# Altium PCB Temp Module B1 Sample.PcbDoc (part 1 of 3) (continued)
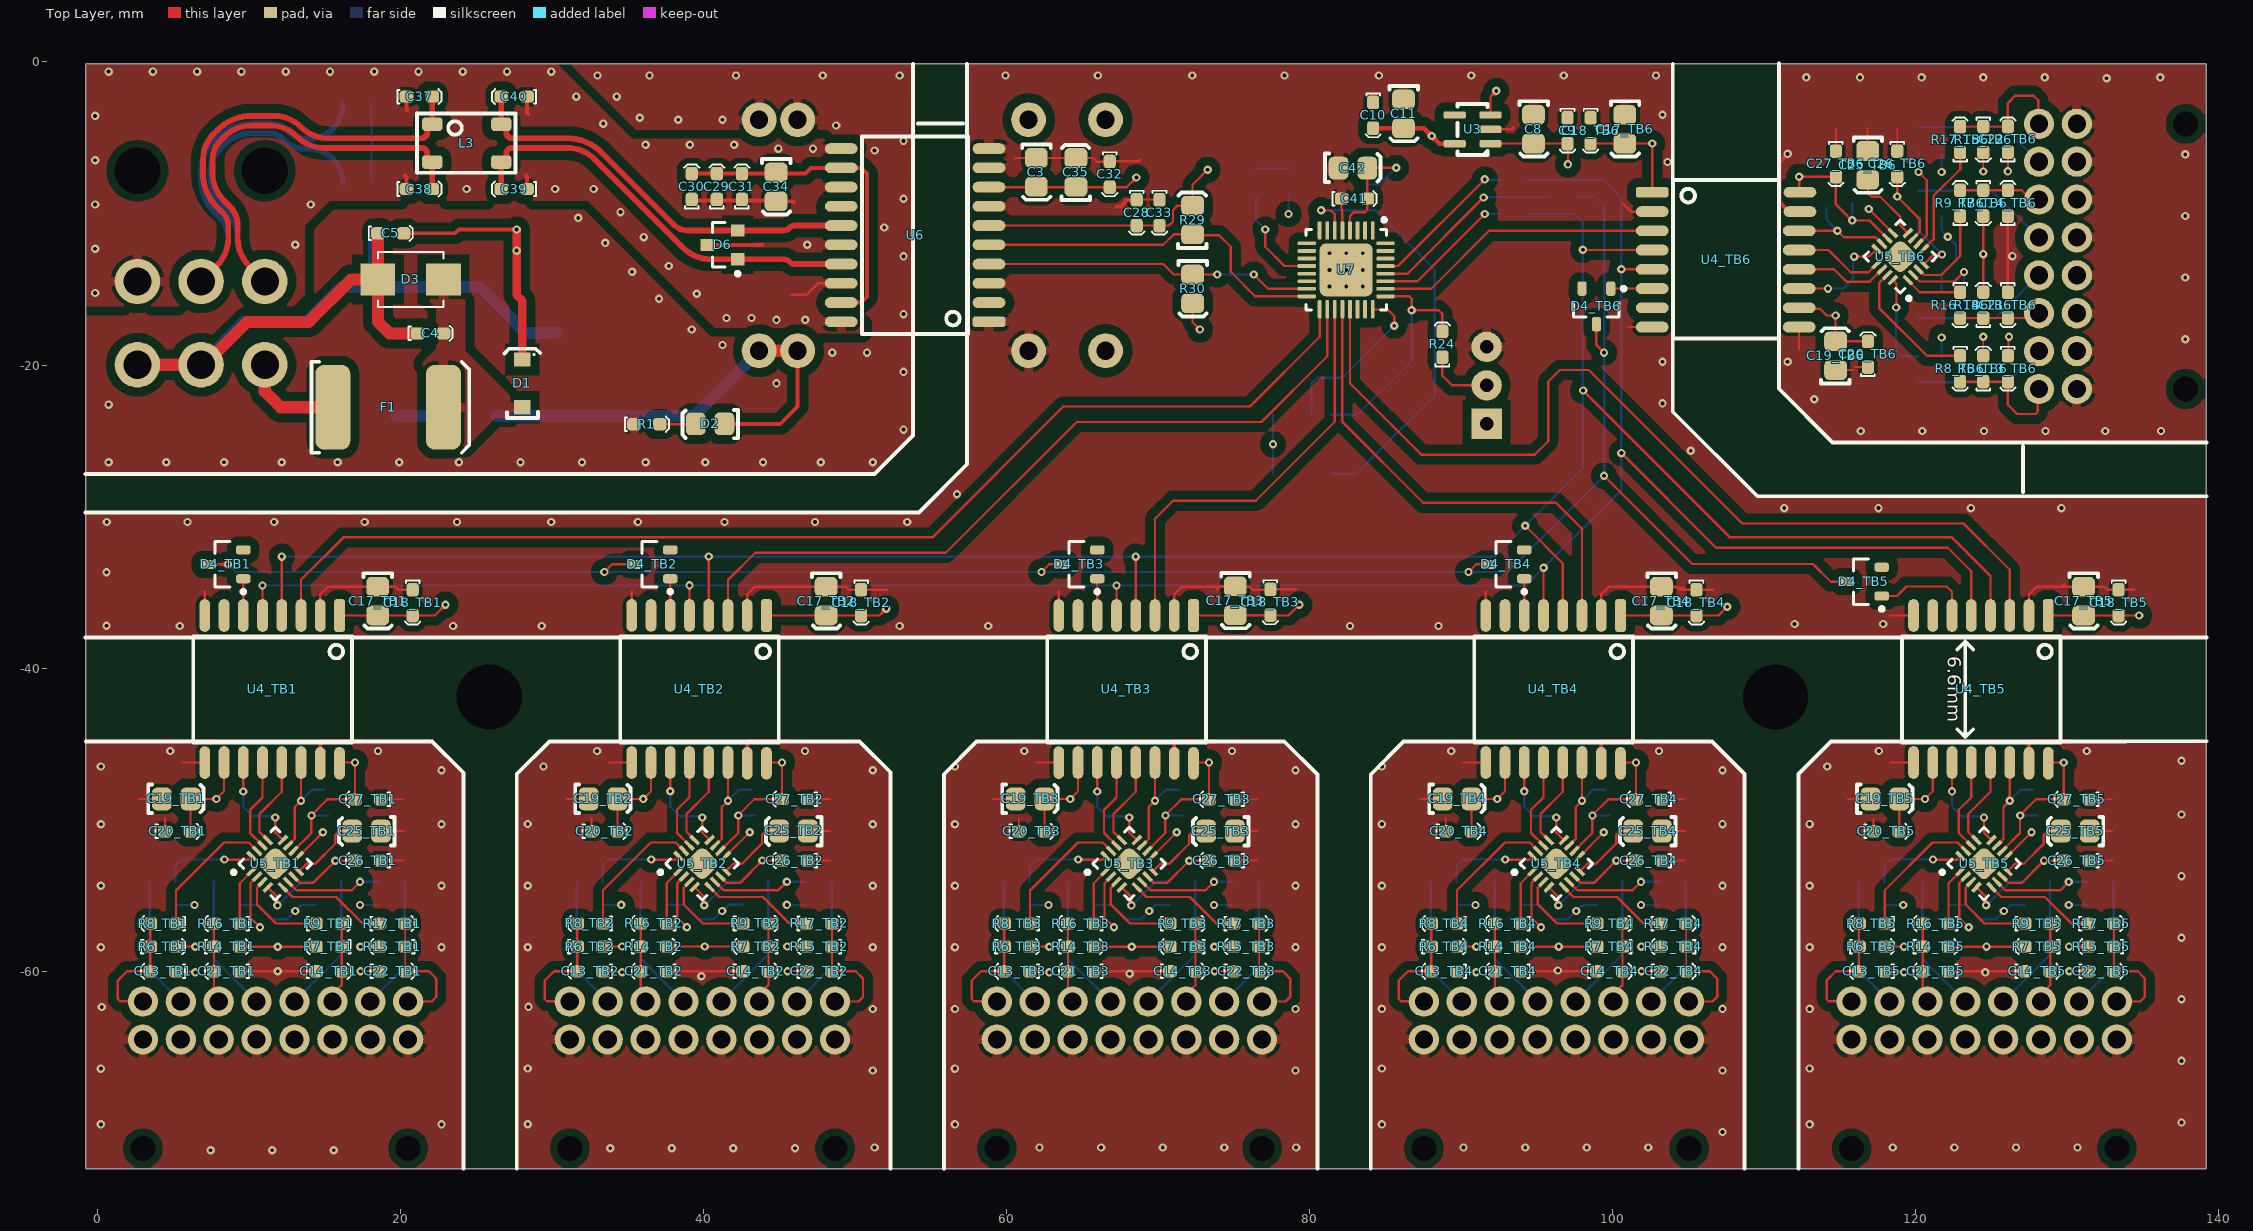
[diagram p0: Top Layer view]
## Components (designator, comment, footprint, x,y, rotation, side; value= is the part's Value field where it differs from the comment)
C1 "10uF" 0805 18.747,-23.394 r0 bottom
C2 "100nF" 0603 37.338,-21.668 r270 bottom
C3 "22uF" 0805 62.002,-7.292 r270 top
C4 "100nF" 0603 21.16,-17.907 r0 top
C5 "100nF" 0603 18.53,-11.303 r0 top
C6 "47uF" "CHEMI-CON ELCO" 30.353,-15.24 r90 bottom
C7 "10uF" 0805 35.28,-22.43 r270 bottom
C8 "1µF" 0805 94.812,-4.445 r270 top
C9 "100nF" 0603 97.028,-3.683 r270 top
C10 "100nF" 0603 84.201,-2.667 r270 top
C11 "1µF" 0805 86.233,-3.429 r270 top
C13_TB1 "100nF" 0603 5.213,-60 r180 top (schematic designator C13)
C13_TB2 "100nF" 0603 33.382,-59.994 r180 top (schematic designator C13)
C13_TB3 "100nF" 0603 61.562,-60 r180 top (schematic designator C13)
C13_TB4 "100nF" 0603 89.738,-59.998 r180 top (schematic designator C13)
C13_TB5 "100nF" 0603 117.963,-59.998 r180 top (schematic designator C13)
C13_TB6 "100nF" 0603 126.087,-19.39 r270 top (schematic designator C13)
C14_TB1 "100nF" 0603 14.438,-60 r0 top (schematic designator C14)
C14_TB2 "100nF" 0603 42.607,-59.994 r0 top (schematic designator C14)
C14_TB3 "100nF" 0603 70.787,-60 r0 top (schematic designator C14)
C14_TB4 "100nF" 0603 98.963,-59.998 r0 top (schematic designator C14)
C14_TB5 "100nF" 0603 127.188,-59.998 r0 top (schematic designator C14)
C14_TB6 "100nF" 0603 126.087,-10.165 r90 top (schematic designator C14)
C15_TB1 "100nF" 0603 5.181,-57.25 r180 bottom (schematic designator C15)
C15_TB2 "100nF" 0603 33.35,-57.244 r180 bottom (schematic designator C15)
C15_TB3 "100nF" 0603 61.53,-57.25 r180 bottom (schematic designator C15)
C15_TB4 "100nF" 0603 89.706,-57.248 r180 bottom (schematic designator C15)
C15_TB5 "100nF" 0603 117.931,-57.248 r180 bottom (schematic designator C15)
C15_TB6 "100nF" 0603 123.337,-19.422 r270 bottom (schematic designator C15)
C16_TB1 "100nF" 0603 14.413,-57.25 r0 bottom (schematic designator C16)
C16_TB2 "100nF" 0603 42.582,-57.244 r0 bottom (schematic designator C16)
C16_TB3 "100nF" 0603 70.762,-57.25 r0 bottom (schematic designator C16)
C16_TB4 "100nF" 0603 98.938,-57.248 r0 bottom (schematic designator C16)
C16_TB5 "100nF" 0603 127.163,-57.248 r0 bottom (schematic designator C16)
C16_TB6 "100nF" 0603 123.337,-10.19 r90 bottom (schematic designator C16)
C17_TB1 "1µF" 0805 18.542,-35.587 r270 top (schematic designator C17)
C17_TB2 "1µF" 0805 48.133,-35.587 r270 top (schematic designator C17)
C17_TB3 "1µF" 0805 75.133,-35.561 r270 top (schematic designator C17)
C17_TB4 "1µF" 0805 103.251,-35.587 r270 top (schematic designator C17)
C17_TB5 "1µF" 0805 131.106,-35.587 r270 top (schematic designator C17)
C17_TB6 "1µF" 0805 100.838,-4.445 r270 top (schematic designator C17)
C18_TB1 "100nF" 0603 20.828,-34.825 r270 top (schematic designator C18)
C18_TB2 "100nF" 0603 50.419,-34.825 r270 top (schematic designator C18)
C18_TB3 "100nF" 0603 77.419,-34.799 r270 top (schematic designator C18)
C18_TB4 "100nF" 0603 105.537,-34.825 r270 top (schematic designator C18)
C18_TB5 "100nF" 0603 133.392,-34.825 r270 top (schematic designator C18)
C18_TB6 "100nF" 0603 98.552,-3.683 r270 top (schematic designator C18)
C19_TB1 "1µF" 0805 5.232,-48.605 r0 top (schematic designator C19)
C19_TB2 "1µF" 0805 33.401,-48.599 r0 top (schematic designator C19)
C19_TB3 "1µF" 0805 61.581,-48.605 r0 top (schematic designator C19)
C19_TB4 "1µF" 0805 89.757,-48.603 r0 top (schematic designator C19)
C19_TB5 "1µF" 0805 117.982,-48.603 r0 top (schematic designator C19)
C19_TB6 "1µF" 0805 114.692,-19.371 r90 top (schematic designator C19)
C20_TB1 "100nF" 0603 4.47,-50.764 r0 top (schematic designator C20)
C20_TB2 "100nF" 0603 32.639,-50.758 r0 top (schematic designator C20)
C20_TB3 "100nF" 0603 60.819,-50.764 r0 top (schematic designator C20)
C20_TB4 "100nF" 0603 88.995,-50.762 r0 top (schematic designator C20)
C20_TB5 "100nF" 0603 117.22,-50.762 r0 top (schematic designator C20)
C20_TB6 "100nF" 0603 116.851,-20.133 r90 top (schematic designator C20)
C21_TB1 "100nF" 0603 9.413,-60 r180 top (schematic designator C21)
C21_TB2 "100nF" 0603 37.582,-59.994 r180 top (schematic designator C21)
C21_TB3 "100nF" 0603 65.762,-60 r180 top (schematic designator C21)
C21_TB4 "100nF" 0603 93.938,-59.998 r180 top (schematic designator C21)
C21_TB5 "100nF" 0603 122.163,-59.998 r180 top (schematic designator C21)
C21_TB6 "100nF" 0603 126.087,-15.19 r270 top (schematic designator C21)
C22_TB1 "100nF" 0603 18.65,-60 r0 top (schematic designator C22)
C22_TB2 "100nF" 0603 46.819,-59.994 r0 top (schematic designator C22)
C22_TB3 "100nF" 0603 74.999,-60 r0 top (schematic designator C22)
C22_TB4 "100nF" 0603 103.175,-59.998 r0 top (schematic designator C22)
C22_TB5 "100nF" 0603 131.4,-59.998 r0 top (schematic designator C22)
C22_TB6 "100nF" 0603 126.087,-5.953 r90 top (schematic designator C22)
C23_TB1 "100nF" 0603 9.4,-54.1 r180 bottom (schematic designator C23)
C23_TB2 "100nF" 0603 37.568,-54.094 r180 bottom (schematic designator C23)
C23_TB3 "100nF" 0603 65.749,-54.101 r180 bottom (schematic designator C23)
C23_TB4 "100nF" 0603 93.925,-54.098 r180 bottom (schematic designator C23)
C23_TB5 "100nF" 0603 122.15,-54.098 r180 bottom (schematic designator C23)
C23_TB6 "100nF" 0603 120.188,-15.204 r270 bottom (schematic designator C23)
C24_TB1 "100nF" 0603 18.625,-57.25 r0 bottom (schematic designator C24)
C24_TB2 "100nF" 0603 46.794,-57.244 r0 bottom (schematic designator C24)
C24_TB3 "100nF" 0603 74.974,-57.25 r0 bottom (schematic designator C24)
C24_TB4 "100nF" 0603 103.15,-57.248 r0 bottom (schematic designator C24)
C24_TB5 "100nF" 0603 131.375,-57.248 r0 bottom (schematic designator C24)
C24_TB6 "100nF" 0603 123.337,-5.978 r90 bottom (schematic designator C24)
C25_TB1 "1µF" 0805 17.775,-50.775 r180 top (schematic designator C25)
C25_TB2 "1µF" 0805 45.944,-50.769 r180 top (schematic designator C25)
C25_TB3 "1µF" 0805 74.124,-50.775 r180 top (schematic designator C25)
C25_TB4 "1µF" 0805 102.3,-50.773 r180 top (schematic designator C25)
C25_TB5 "1µF" 0805 130.525,-50.773 r180 top (schematic designator C25)
C25_TB6 "1µF" 0805 116.862,-6.828 r270 top (schematic designator C25)
C26_TB1 "100nF" 0603 18.725,-52.7 r180 top (schematic designator C26)
C26_TB2 "100nF" 0603 46.894,-52.694 r180 top (schematic designator C26)
C26_TB3 "100nF" 0603 75.074,-52.7 r180 top (schematic designator C26)
C26_TB4 "100nF" 0603 103.25,-52.698 r180 top (schematic designator C26)
C26_TB5 "100nF" 0603 131.475,-52.698 r180 top (schematic designator C26)
C26_TB6 "100nF" 0603 118.787,-5.878 r270 top (schematic designator C26)
C27_TB1 "100nF" 0603 18.725,-48.65 r180 top (schematic designator C27)
C27_TB2 "100nF" 0603 46.894,-48.644 r180 top (schematic designator C27)
C27_TB3 "100nF" 0603 75.074,-48.65 r180 top (schematic designator C27)
C27_TB4 "100nF" 0603 103.25,-48.648 r180 top (schematic designator C27)
C27_TB5 "100nF" 0603 131.475,-48.648 r180 top (schematic designator C27)
C27_TB6 "100nF" 0603 114.737,-5.878 r270 top (schematic designator C27)
C28 "10nF" 0603 68.604,-9.095 r270 top
C29 "100nF" 0603 40.894,-9.066 r90 top
C30 "10nF" 0603 39.243,-9.066 r90 top
C31 "100nF" 0603 42.545,-9.066 r90 top
C32 "100nF" 0603 66.825,-6.557 r270 top
C33 "100nF" 0603 70.104,-9.095 r270 top
C34 "10uF" 0805 44.831,-8.255 r270 top
C35 "10uF" 0805 64.566,-7.268 r90 top
C36 "22pF" 0603 19.807,-5.334 r180 bottom
C37 "100pF" 0603 20.42,-2.286 r0 top
C38 "100pF" 0603 20.42,-8.382 r0 top
C39 "100pF" 0603 28.37,-8.382 r180 top
C40 "100pF" 0603 28.37,-2.286 r180 top
C41 "100nF" "0603 Capacitor" 82.12,-9.017 r0 top
C42 "2.2uF" GCM21BR71H105KA03L-Footprint-1 82.835,-7.112 r0 top value=2.2µF
D1 "PMEG100T10ELR-QX" SODFL350X110-2N 28.067,-21.209 r270 top
D2 "Red" "0805 LED" 40.435,-23.902 r180 top
D3 "SM6T39CAY" SM6T39CAY-Footprint-1 20.695,-14.351 r0 top
D4_TB1 "BAS-21" NEXPERIA_SOT23 8.477,-33.147 r180 top (schematic designator D4)
D4_TB2 "BAS-21" NEXPERIA_SOT23 36.646,-33.147 r180 top (schematic designator D4)
D4_TB3 "BAS-21" NEXPERIA_SOT23 64.826,-33.147 r180 top (schematic designator D4)
D4_TB4 "BAS-21" NEXPERIA_SOT23 93.002,-33.147 r180 top (schematic designator D4)
D4_TB5 "BAS-21" NEXPERIA_SOT23 116.586,-34.29 r180 top (schematic designator D4)
D4_TB6 "BAS-21" NEXPERIA_SOT23 98.933,-16.126 r270 top (schematic designator D4)
D6 "NUP2105L" ONSC-SOT-23-3-318-08_V 41.275,-12.065 r180 top
D7 "Yellow" "0805 LED" 76.454,-8.001 r270 bottom
F1 "0ZCF0100AF2A" 2920 15.56,-22.784 r0 top
L1 "12uH" 1812 24.533,-23.368 r180 bottom
L3 "B82787C0104H002" "TDK 4-PC Pad" 22.12,-4.104 r0 top value="100µH @ 100kHz"
P1 "105314-1116" 105314-1116-Footprint-1 20.526,-62 r180 bottom
P2 "105314-1116" 105314-1116-Footprint-1 48.695,-62 r180 bottom
P3 "105314-1116" 105314-1116-Footprint-1 76.875,-62 r180 bottom
P4 "105314-1116" 105314-1116-Footprint-1 105.051,-62 r180 bottom
P5 "105314-1116" 105314-1116-Footprint-1 133.276,-62 r180 bottom
P6 "105314-1116" 105314-1116-Footprint-1 128.137,-4.077 r270 bottom
P8 "1.27mm" 3221-10-0300-00 78.867,-25.228 r180 bottom
P10 "2.54mm" "TH 2.54mm Header 1x3" 91.694,-23.876 r90 bottom
P11 "39-30-0060" 39-30-0060-Footprint-1 11.067,-14.478 r0 bottom
R1 "2K" 0603 35.433,-23.902 r0 top
R2 "10R" 0603 92.684,-7.775 r0 bottom
R3 "10R" 0603 95.909,-8.875 r0 bottom
R4 "10R" 0603 92.684,-10.025 r0 bottom
R5 "10k" 0603 83.693,-9.779 r90 bottom
R6_TB1 "680R" 0603 3.513,-58.375 r0 top (schematic designator R6)
R6_TB2 "680R" 0603 31.682,-58.369 r0 top (schematic designator R6)
R6_TB3 "680R" 0603 59.862,-58.375 r0 top (schematic designator R6)
R6_TB4 "680R" 0603 88.038,-58.373 r0 top (schematic designator R6)
R6_TB5 "680R" 0603 116.263,-58.373 r0 top (schematic designator R6)
R6_TB6 "680R" 0603 124.462,-21.09 r90 top (schematic designator R6)
R7_TB1 "680R" 0603 16.138,-58.375 r180 top (schematic designator R7)
R7_TB2 "680R" 0603 44.307,-58.369 r180 top (schematic designator R7)
R7_TB3 "680R" 0603 72.487,-58.375 r180 top (schematic designator R7)
R7_TB4 "680R" 0603 100.663,-58.373 r180 top (schematic designator R7)
R7_TB5 "680R" 0603 128.888,-58.373 r180 top (schematic designator R7)
R7_TB6 "680R" 0603 124.462,-8.465 r270 top (schematic designator R7)
R8_TB1 "1k" 0603 5.213,-56.851 r180 top (schematic designator R8)
R8_TB2 "1k" 0603 33.382,-56.845 r180 top (schematic designator R8)
R8_TB3 "1k" 0603 61.562,-56.851 r180 top (schematic designator R8)
R8_TB4 "1k" 0603 89.738,-56.849 r180 top (schematic designator R8)
R8_TB5 "1k" 0603 117.963,-56.849 r180 top (schematic designator R8)
R8_TB6 "1k" 0603 122.938,-19.39 r270 top (schematic designator R8)
R9_TB1 "1k" 0603 14.438,-56.851 r0 top (schematic designator R9)
R9_TB2 "1k" 0603 42.607,-56.845 r0 top (schematic designator R9)
R9_TB3 "1k" 0603 70.787,-56.851 r0 top (schematic designator R9)
R9_TB4 "1k" 0603 98.963,-56.849 r0 top (schematic designator R9)
R9_TB5 "1k" 0603 127.188,-56.849 r0 top (schematic designator R9)
R9_TB6 "1k" 0603 122.938,-10.165 r90 top (schematic designator R9)
R10_TB1 "680R" 0603 3.481,-55.625 r0 bottom (schematic designator R10)
R10_TB2 "680R" 0603 31.65,-55.619 r0 bottom (schematic designator R10)
R10_TB3 "680R" 0603 59.83,-55.625 r0 bottom (schematic designator R10)
R10_TB4 "680R" 0603 88.006,-55.623 r0 bottom (schematic designator R10)
R10_TB5 "680R" 0603 116.231,-55.623 r0 bottom (schematic designator R10)
R10_TB6 "680R" 0603 121.712,-21.122 r90 bottom (schematic designator R10)
R11_TB1 "680R" 0603 16.113,-55.625 r180 bottom (schematic designator R11)
R11_TB2 "680R" 0603 44.282,-55.619 r180 bottom (schematic designator R11)
R11_TB3 "680R" 0603 72.462,-55.625 r180 bottom (schematic designator R11)
R11_TB4 "680R" 0603 100.638,-55.623 r180 bottom (schematic designator R11)
R11_TB5 "680R" 0603 128.863,-55.623 r180 bottom (schematic designator R11)
R11_TB6 "680R" 0603 121.712,-8.49 r270 bottom (schematic designator R11)
R12_TB1 "1k" 0603 5.181,-54.101 r180 bottom (schematic designator R12)
R12_TB2 "1k" 0603 33.35,-54.095 r180 bottom (schematic designator R12)
R12_TB3 "1k" 0603 61.53,-54.101 r180 bottom (schematic designator R12)
R12_TB4 "1k" 0603 89.706,-54.099 r180 bottom (schematic designator R12)
R12_TB5 "1k" 0603 117.931,-54.099 r180 bottom (schematic designator R12)
R12_TB6 "1k" 0603 120.188,-19.422 r270 bottom (schematic designator R12)
R13_TB1 "1k" 0603 14.413,-54.101 r0 bottom (schematic designator R13)
R13_TB2 "1k" 0603 42.582,-54.095 r0 bottom (schematic designator R13)
R13_TB3 "1k" 0603 70.762,-54.101 r0 bottom (schematic designator R13)
R13_TB4 "1k" 0603 98.938,-54.099 r0 bottom (schematic designator R13)
R13_TB5 "1k" 0603 127.163,-54.099 r0 bottom (schematic designator R13)
R13_TB6 "1k" 0603 120.188,-10.19 r90 bottom (schematic designator R13)
R14_TB1 "680R" 0603 7.713,-58.375 r0 top (schematic designator R14)
R14_TB2 "680R" 0603 35.882,-58.369 r0 top (schematic designator R14)
R14_TB3 "680R" 0603 64.062,-58.375 r0 top (schematic designator R14)
R14_TB4 "680R" 0603 92.238,-58.373 r0 top (schematic designator R14)
R14_TB5 "680R" 0603 120.463,-58.373 r0 top (schematic designator R14)
R14_TB6 "680R" 0603 124.462,-16.89 r90 top (schematic designator R14)
R15_TB1 "680R" 0603 20.338,-58.375 r180 top (schematic designator R15)
R15_TB2 "680R" 0603 48.507,-58.369 r180 top (schematic designator R15)
R15_TB3 "680R" 0603 76.687,-58.375 r180 top (schematic designator R15)
R15_TB4 "680R" 0603 104.863,-58.373 r180 top (schematic designator R15)
R15_TB5 "680R" 0603 133.088,-58.373 r180 top (schematic designator R15)
R15_TB6 "680R" 0603 124.462,-4.265 r270 top (schematic designator R15)
R16_TB1 "1k" 0603 9.413,-56.851 r180 top (schematic designator R16)
R16_TB2 "1k" 0603 37.582,-56.845 r180 top (schematic designator R16)
R16_TB3 "1k" 0603 65.762,-56.851 r180 top (schematic designator R16)
R16_TB4 "1k" 0603 93.938,-56.849 r180 top (schematic designator R16)
R16_TB5 "1k" 0603 122.163,-56.849 r180 top (schematic designator R16)
R16_TB6 "1k" 0603 122.938,-15.19 r270 top (schematic designator R16)
R17_TB1 "1k" 0603 18.638,-56.851 r0 top (schematic designator R17)
R17_TB2 "1k" 0603 46.807,-56.845 r0 top (schematic designator R17)
R17_TB3 "1k" 0603 74.987,-56.851 r0 top (schematic designator R17)
R17_TB4 "1k" 0603 103.163,-56.849 r0 top (schematic designator R17)
R17_TB5 "1k" 0603 131.388,-56.849 r0 top (schematic designator R17)
R17_TB6 "1k" 0603 122.938,-5.965 r90 top (schematic designator R17)
R18_TB1 "680R" 0603 7.696,-55.624 r0 bottom (schematic designator R18)
R18_TB2 "680R" 0603 35.864,-55.618 r0 bottom (schematic designator R18)
R18_TB3 "680R" 0603 64.045,-55.624 r0 bottom (schematic designator R18)
R18_TB4 "680R" 0603 92.221,-55.622 r0 bottom (schematic designator R18)
R18_TB5 "680R" 0603 120.446,-55.622 r0 bottom (schematic designator R18)
R18_TB6 "680R" 0603 121.711,-16.908 r90 bottom (schematic designator R18)
R19_TB1 "680R" 0603 20.313,-55.625 r180 bottom (schematic designator R19)
R19_TB2 "680R" 0603 48.482,-55.619 r180 bottom (schematic designator R19)
R19_TB3 "680R" 0603 76.662,-55.625 r180 bottom (schematic designator R19)
R19_TB4 "680R" 0603 104.838,-55.623 r180 bottom (schematic designator R19)
R19_TB5 "680R" 0603 133.063,-55.623 r180 bottom (schematic designator R19)
R19_TB6 "680R" 0603 121.712,-4.29 r270 bottom (schematic designator R19)
R20_TB1 "1k" 0603 9.395,-57.099 r180 bottom (schematic designator R20)
R20_TB2 "1k" 0603 37.564,-57.092 r180 bottom (schematic designator R20)
R20_TB3 "1k" 0603 65.744,-57.099 r180 bottom (schematic designator R20)
R20_TB4 "1k" 0603 93.92,-57.096 r180 bottom (schematic designator R20)
R20_TB5 "1k" 0603 122.145,-57.096 r180 bottom (schematic designator R20)
R20_TB6 "1k" 0603 123.186,-15.208 r270 bottom (schematic designator R20)
R21_TB1 "1k" 0603 18.613,-54.101 r0 bottom (schematic designator R21)
R21_TB2 "1k" 0603 46.782,-54.095 r0 bottom (schematic designator R21)
R21_TB3 "1k" 0603 74.962,-54.101 r0 bottom (schematic designator R21)
R21_TB4 "1k" 0603 103.138,-54.099 r0 bottom (schematic designator R21)
R21_TB5 "1k" 0603 131.363,-54.099 r0 bottom (schematic designator R21)
R21_TB6 "1k" 0603 120.188,-5.99 r90 bottom (schematic designator R21)
R22_TB1 "1.2k" 0603 15.275,-48.025 r270 bottom (schematic designator R22)
R22_TB2 "1.2k" 0603 43.444,-48.019 r270 bottom (schematic designator R22)
R22_TB3 "1.2k" 0603 71.624,-48.025 r270 bottom (schematic designator R22)
R22_TB4 "1.2k" 0603 99.8,-48.023 r270 bottom (schematic designator R22)
R22_TB5 "1.2k" 0603 128.025,-48.023 r270 bottom (schematic designator R22)
R22_TB6 "1.2k" 0603 114.112,-9.328 r0 bottom (schematic designator R22)
R23 "56R" 0805 17.145,-2.794 r180 bottom
R24 "10k" 0603 88.773,-19.48 r90 top
R25 "56R" 0805 17.169,-8.001 r0 bottom
R26 "500R" 0603 78.613,-7.039 r270 bottom
R29 "5.1k" 0805 72.263,-10.414 r90 top
R30 "5.1k" 0805 72.315,-14.986 r270 top
U1 "744272121" "Wurth 4-PC Pad" 18.291,-18.923 r90 bottom value="120uH @ 100kHz"
U2 "JTC0424S05" "24-DIP Module, 7 Leads" 55.118,-11.43 r0 bottom
U3 "TLV70033-Q1" "TI SOT-23-5" 91.948,-5.395 r90 top
U4_TB1 "ADUM5401" "AD 16-SOIC" 10.287,-41.402 r180 top (schematic designator U4)
U4_TB2 "ADUM5401" "AD 16-SOIC" 38.456,-41.396 r180 top (schematic designator U4)
U4_TB3 "ADUM5401" "AD 16-SOIC" 66.636,-41.402 r180 top (schematic designator U4)
U4_TB4 "ADUM5401" "AD 16-SOIC" 94.812,-41.4 r180 top (schematic designator U4)
U4_TB5 "ADUM5401" "AD 16-SOIC" 123.037,-41.4 r180 top (schematic designator U4)
U4_TB6 "ADUM5401" "AD 16-SOIC" 107.489,-14.316 r270 top (schematic designator U4)
U5_TB1 "ADS7028" WFQN-16 11.763,-52.901 r45 top (schematic designator U5)
U5_TB2 "ADS7028" WFQN-16 39.932,-52.895 r45 top (schematic designator U5)
U5_TB3 "ADS7028" WFQN-16 68.112,-52.901 r45 top (schematic designator U5)
U5_TB4 "ADS7028" WFQN-16 96.288,-52.899 r45 top (schematic designator U5)
U5_TB5 "ADS7028" WFQN-16 124.513,-52.899 r45 top (schematic designator U5)
U5_TB6 "ADS7028" WFQN-16 118.988,-12.84 r135 top (schematic designator U5)
U6 "ADM3053" "AD SOIC-W 20" 53.975,-11.43 r90 top
U7 "STM32G0B1KBU6" ST-UFQFPN32 82.423,-13.716 r270 top

## Footprints (in the part's own frame and the unit in brackets; to place one, negate y for a bottom-side part, rotate by r counter-clockwise, add the part's x,y. Pads: shape width x height; smd on the part's side, far side on the other; paste and mask are expansions set on the pad)
"24-DIP Module, 7 Leads" [mm]
  round 2.3 hole 1.2: 2(-11.43,-7.62) 3(-8.89,-7.62) 9(6.35,-7.62) 11(11.43,-7.62) 14(11.43,7.62) 16(6.35,7.62) 22(-8.89,7.62) 23(-11.43,7.62)
  silkscreen extent -15.88,-10.16 15.88,10.16, body extent -15.88,-10.16 15.87,10.16, height 10.41
39-30-0060-Footprint-1 [mm]
  round 3 hole 1.85: 1(0,0) 2(0,5.5) 3(-4.2,0) 4(-4.2,5.5) 5(-8.4,0) 6(-8.4,5.5)
  round 1.524 hole 3.05: ""(-8.4,-7.3) ""(0,-7.3)
  body extent -11.1,-13.87 3.1,6.07, height 11.4
0603 [mm]
  rrect50% 0.9x0.8 smd: 1(0,0) 2(1.7,0)
  silkscreen extent -0.6,-0.5 2.3,0.5, body extent 0.05,-0.42 1.65,0.43, height 0.6
"0603 Capacitor" [mm]
  rrect50% 0.9x0.8 smd: 1(0,0) 2(1.7,0)
  silkscreen extent -0.6,-0.5 2.3,0.5, body extent 0.05,-0.42 1.65,0.43, height 0.6
0805 [mm]
  rrect50% 1.3x1.5 smd: 1(-0.962,-0.026) 2(0.938,-0.026)
  silkscreen extent -1.85,-0.95 1.8,0.93, body extent -1,-0.65 1,0.66, height 0.73
"0805 LED" [mm]
  rrect50% 1.3x1.5 smd: A(-0.962,-0.026) K(0.938,-0.026)
  silkscreen extent -1.85,-0.95 1.8,0.93, body extent -1.09,-0.63 0.91,0.62, height 1
1812 [mm]
  rrect50% 2.2x3.5 smd: 1(-1.8,0) 2(1.8,0)
  silkscreen extent -3.25,-1.75 3.25,1.75, body extent -2.25,-1.6 2.25,1.6, height 2.5
2920 [mm]
  rrect50% 2.3x5.6 smd: 1(0,0) 2(7.3,0)
  silkscreen extent -1.4,-3 9,3, body extent -0.34,-2.81 7.64,2.81, height 1.14
3221-10-0300-00 [mm]
  rrect50% 0.76x3 smd: 1(-2.54,-1.95) 2(-2.54,1.95) 3(-1.27,-1.95) 4(-1.27,1.95) 6(0,1.95) 7(1.27,-1.95) 8(1.27,1.95) 9(2.54,-1.95) 10(2.54,1.95)
  rect 0.76x2.4 smd: 5(0,-1.95)
  silkscreen extent -6.35,-3.6 6.35,2.55, body extent -6.34,-2.8 6.36,2.8, height 5.25
105314-1116-Footprint-1 [mm]
  round 2 hole 1.2: 1(0,0) 2(2.5,0) 3(5,0) 4(7.5,0) 5(10,0) 6(12.5,0) 7(15,0) 8(17.5,0) 9(17.5,-2.5) 10(15,-2.5) 11(12.5,-2.5) 12(10,-2.5) 13(7.5,-2.5) 14(5,-2.5) 15(2.5,-2.5) 16(0,-2.5)
  round 0 hole 1.65: 17(0,-9.68) 17(17.5,-9.68)
  body extent -1.71,-14.33 19.23,0.33, height 9.85
"AD 16-SOIC" [mil]
  rrect50% 28x85 smd: 1(-225,-192.02)
  oval 28x85 smd: 2(-175,-192.02) 3(-125,-192.02) 4(-75,-192.02) 5(-25,-192.02) 6(25,-192.02) 7(75,-192.02) 8(125,-192.02) 9(125,190) 10(75,189.96) 11(25,189.96) 12(-25,189.96) 13(-75,189.96) 14(-125,189.96) 15(-175,191.98) 16(-225,191.98)
  silkscreen extent -257,-138 155,138, body extent -256,-209 156,209, height 104
"AD SOIC-W 20" [mil]
  rrect50% 28x85 smd: 1(-225,-192.02)
  oval 28x85 smd: 2(-175,-192.02) 3(-125,-192.02) 4(-75,-192.02) 5(-25,-192.02) 6(25,-192.02) 7(75,-192.02) 8(125,-192.02) 9(175,-192.02) 10(225,-192.02) 11(225,192.02) 12(175,191.98) 13(125,191.98) 14(75,191.98) 15(25,191.98) 16(-25,191.98) 17(-75,191.98) 18(-125,191.98) 19(-175,191.98) 20(-225,191.98)
  silkscreen extent -257,-138 256,138, body extent -260,-210 260,210, height 105
"CHEMI-CON ELCO" [mm]
  rect 3.55x1.85 smd: 1(-2.65,0) 2(2.65,0)
  silkscreen extent -4.43,-3.3 3.3,3.3, body extent -3.7,-3.4 3.7,3.4, height 6.1
GCM21BR71H105KA03L-Footprint-1 [mm]
  rrect50% 1.3x1.5 smd: 1(-0.915,0.112) 2(0.985,0.112)
  silkscreen extent -1.8,-0.81 1.85,1.07, body extent -0.95,-0.52 1.05,0.79, height 0.73
NEXPERIA_SOT23 [mm]
  rrect50% 0.95x0.6 smd: 2(-1.175,-0.95) A(-1.175,0.95) K(1.175,0)
  silkscreen extent -1.3,-1.5 0.7,1.92, body extent -1.33,-1.5 1.33,1.5, height 1.1
ONSC-SOT-23-3-318-08_V [mm] "SOT23, 3-Leads, Body 2.92x1.3mm, Pitch 0.95mm"
  rect 0.9x0.8 smd: 1(-1,0.95) 2(-1,-0.95) 3(1,0)
  silkscreen extent -1.13,-1.46 0.65,2.02, body extent -0.65,-1.46 0.65,1.46, height 1.11
SM6T39CAY-Footprint-1 [mm]
  rect 2.28x2.12 smd: A(2.165,0) K(-2.165,0)
  silkscreen extent -2.16,-1.81 2.16,1.81, body extent -2.79,-1.98 2.79,1.98, height 2.64
SODFL350X110-2N [mm] "SODFL, 2-Leads, Body 1.70x3.50mm, IPC Medium Density"
  rect 0.95x1.1 smd: A(1.575,0) K(-1.575,0)
  silkscreen extent -2.29,-1.19 2.28,1.18, body extent -1.75,-0.95 1.75,0.95, height 1.1
ST-UFQFPN32 [mm]
  rrect50% 1.2x0.25 smd: 1(-2.6,1.75) 2(-2.6,1.25) 3(-2.6,0.75) 4(-2.6,0.25) 5(-2.6,-0.25) 6(-2.6,-0.75) 7(-2.6,-1.25) 8(-2.6,-1.75) 17(2.6,-1.75) 18(2.6,-1.25) 19(2.6,-0.75) 20(2.6,-0.25) 21(2.6,0.25) 22(2.6,0.75) 23(2.6,1.25) 24(2.6,1.75)
  rrect25% 3.5x3.5 smd: 5(0,0)
  rrect50% 0.25x1.2 smd: 9(-1.75,-2.6) 10(-1.25,-2.6) 11(-0.75,-2.6) 12(-0.25,-2.6) 13(0.25,-2.6) 14(0.75,-2.6) 15(1.25,-2.6) 16(1.75,-2.6) 25(1.75,2.6) 26(1.25,2.6) 27(0.75,2.6) 28(0.25,2.6) 29(-0.25,2.6) 30(-0.75,2.6) 31(-1.25,2.6) 32(-1.75,2.6)
  silkscreen extent -3.42,-2.65 2.65,2.65, body extent -2.52,-2.52 2.52,2.52, height 0.6
"TDK 4-PC Pad" [mm]
  rrect50% 1.35x0.9 smd: 1(0,-2.5) 2(0,0) 3(4.55,0) 4(4.55,-2.5)
  silkscreen extent -1,-3.2 5.5,0.7, body extent -0.02,-2.82 4.48,0.38, height 2.8
"TH 2.54mm Header 1x3" [mm]
  rect 1.5x1.5 / inner rect 1.5x1.5 / far side rect 2x2 hole 0.9: 1(0,0)
  round 1.5 / inner round 1.5 / far side round 2 hole 0.9: 2(2.54,0) 3(5.08,0)
  silkscreen extent -1.27,-1.27 6.35,1.27, body extent -1.27,-1.27 6.35,1.27, height 9.5
"TI SOT-23-5" [mil]
  rrect50% 19x58 smd: 1(0,0) 2(37.4,0) 3(74.8,0) 4(74.8,93) 5(0,93)
  silkscreen extent -30,8 103,86, body extent -23,-12 97,106, height 57
WFQN-16 [mm]
  rect 0.8x0.25 smd: 1(-1.45,0.75) 2(-1.45,0.25) 3(-1.45,-0.25) 4(-1.45,-0.75) 9(1.45,-0.75) 10(1.45,-0.25) 11(1.45,0.25) 12(1.45,0.75)
  rect 0.25x0.8 smd: 5(-0.75,-1.45) 6(-0.25,-1.45) 7(0.25,-1.45) 8(0.75,-1.45) 13(0.75,1.45) 14(0.25,1.45) 15(-0.25,1.45) 16(-0.75,1.45)
  rrect50% 1.68x1.68 smd: 17(0,0)
  silkscreen extent -2.47,-1.7 1.7,1.7, body extent -1.6,-1.6 1.6,1.6, height 0.8
"Wurth 4-PC Pad" [mm]
  rrect50% 2.7x2.7 smd: 1(7.62,6.22) 2(0,6.22) 3(0,0) 4(7.62,0)
  silkscreen extent -1.7,-1.8 9.4,8, body extent -1.19,-1.24 8.81,7.46, height 6.2

## Part data
C1 C7 C34 C35: library part GRM21BR6YA106KE43L, Digikey Part Number=490-10514-6-ND, Manufacturer=muRata, Rated Voltage=50V, Temperature Rating=X5R, Tolerance=10%, Material=MLCC, Part Number=GRM21BR6YA106KE43L
C2 C4 C5 C9 C10 C13_TB1 C13_TB2 C13_TB3 C13_TB4 C13_TB5 C13_TB6 C14_TB1 C14_TB2 C14_TB3 C14_TB4 C14_TB5 C14_TB6 C15_TB1 C15_TB2 C15_TB3 C15_TB4 C15_TB5 C15_TB6 C16_TB1 C16_TB2 C16_TB3 C16_TB4 C16_TB5 C16_TB6 C18_TB1 C18_TB2 C18_TB3 C18_TB4 C18_TB5 C18_TB6 C20_TB1 C20_TB2 C20_TB3 C20_TB4 C20_TB5 C20_TB6 C21_TB1 C21_TB2 C21_TB3 C21_TB4 C21_TB5 C21_TB6 C22_TB1 C22_TB2 C22_TB3 C22_TB4 C22_TB5 C22_TB6 C23_TB1 C23_TB2 C23_TB3 C23_TB4 C23_TB5 C23_TB6 C24_TB1 C24_TB2 C24_TB3 C24_TB4 C24_TB5 C24_TB6 C26_TB1 C26_TB2 C26_TB3 C26_TB4 C26_TB5 C26_TB6 C27_TB1 C27_TB2 C27_TB3 C27_TB4 C27_TB5 C27_TB6 C29 C31 C32 C33: library part GCM188L81H104KA57D, Digikey Part Number=490-6049-1-ND, Manufacturer=muRata, Rated Voltage=50V, Temperature Rating=X8L, Tolerance=±10%, Material=MLCC, Part Number=GCM188L81H104KA57D
C3: library part GRM21BR61A226ME51L, Digikey Part Number=490-10511-1-ND, Manufacturer=muRata, Rated Voltage=10V, Temperature Rating=X5R, Tolerance=20%, Material=MLCC, Part Number=GRM21BR61A226ME51L
C6: library part HHXA350ARA470MF61G, Part Number=HHXA350ARA470MF61G
C8 C11 C17_TB1 C17_TB2 C17_TB3 C17_TB4 C17_TB5 C17_TB6 C19_TB1 C19_TB2 C19_TB3 C19_TB4 C19_TB5 C19_TB6 C25_TB1 C25_TB2 C25_TB3 C25_TB4 C25_TB5 C25_TB6: library part GCM21BR71H105KA03L, Digikey Part Number=490-10675-1-ND, Manufacturer=muRata, Rated Voltage=50V, Temperature Rating=X7R, Tolerance=±10%, Material=MLCC, Part Number=GCM21BR71H105KA03L
C28 C30: library part GCM188L81H103KA03D, Digikey Part Number=490-GCM188L81H103KA03DCT-ND, Manufacturer=muRata, Rated Voltage=50V, Temperature Rating=X8L, Tolerance=±10%, Material=MLCC, Part Number=GCM188L81H103KA03D
C36: library part GRM0335C1H220JA01D, Digikey Part Number=490-6123-1-ND, Manufacturer="Murata Electronics", Rated Voltage=50V, Temperature Rating="C0G, NP0", Tolerance=±5%, Material=MLCC, Part Number=GRM0335C1H220JA01D
C37 C38 C39 C40: library part GRM1885C1H101JA01D, Digikey Part Number=490-1427-1-ND, Manufacturer="Murata Electronics", Rated Voltage=50V, Temperature Rating="C0G, NP0", Tolerance=±5%, Material=MLCC, Part Number=GRM1885C1H101JA01D
C41: library part CMP-102-000031-7, "Ceramic Capacitor, Multilayer, Ceramic, 50V, 10% +Tol, 10% -Tol, X8L, -40/+15% TC, 0.1uF, Surface Mount, 0603", Part Number=GCM188L81H104KA57D, Rated Voltage=50V, Tolerance=10%, Digikey Link=https://www.digikey.com.au/en/products/detail/murata-electronics/GCM188L81H104KA57D/2591908?s=N4IgTCBcDaIOIGECyBGAHGgMmlAJFADACwDSAggKwDsAIiALoC%2BQA, Material=X8L
C42: library part CMP-102-000032-2, "Ceramic Capacitor, Multilayer, Ceramic, 25V, 10% +Tol, 10% -Tol, X7R, 15% TC, 2.2uF, Surface Mount, 0805", Part Number=GRM21BR71E225KE11L, Rated Voltage=50V, Tolerance=10%, Digikey Link=https://www.digikey.com.au/en/products/detail/murata-electronics/GRM21BR71E225KE11L/6606096?s=N4IgTCBcDaIOICUCyYCMAhBB2VBRMYArANK6qoAyIAugL5A, Material=X7R
D1: library part CMP-004-00005-4, "Diode 100 V 1A Surface Mount SOD-123W"
D2: library part SML-210LTT86, "Red LED Indication - Discrete 1.75V 0805 (2012 Metric)", Digikey Part Number=511-1286-1-ND, Manufacturer="ROHM Semiconductor", Colour=Red, Part Number=SML-210LTT86
D3: library part CMP-004-00003-4, "TVS Diode Single Bi-Dir 33.3V 600W Automotive 2-Pin SMB T/R / TVS DIODE 33.3VWM 69.7VC SMB", Breakdown Voltage=39V, Case/Package=DO-214AA, Clamping Voltage=53.9V, Leakage Current=200nA, Max Breakdown Voltage=41V, Max Operating Temperature=150°C, Max Power Dissipation=600W, Max Surge Current=11.1A, Min Breakdown Voltage=37.1V, Min Operating Temperature=-55°C, Operating Supply Voltage=30V, Package Quantity=1, Peak Pulse Current=57A, Power Line Protection=No, Resistor Type=Zener, Reverse Standoff Voltage=33.3V, Test Current=1mA, Diode Type=ZENER, Direction=Bidirectional, Element Configuration=Single, Height=2.45mm, Length=4.6mm, Max Reverse Leakage Current=200nA, Mount="Surface Mount", Number of Bidirectional Channels=1, Number of Channels=1, Number of Elements=1, Number of Pins=2, Packaging="Tape and Reel", Peak Pulse Power=600W, Polarity=Bidirectional, Radiation Hardening=No, REACH SVHC="No SVHC", Reverse Breakdown Voltage=37.1V, RoHS Compliant=Yes, Series="Automotive, AEC-Q101, SM6TY, TRANSIL™", Termination=SMD/SMT, Width=3.95mm
D4_TB1 D4_TB2 D4_TB3 D4_TB4 D4_TB5 D4_TB6: Breakdown Voltage=250V, Forward Voltage=1.0V, Manufacturer="Nexperia USA Inc.", Rated Power=250mW, Part Number=BAS-21
D6: library part CMP-004-00000-1, "NUP2105L Series 350 W Dual Line CAN Bus Protector ESD Protection Diode - SOT-23", Breakdown Voltage=26.2V, Capacitance=30pF, Case/Package=SOT-23-3, Clamping Voltage=44V, Leakage Current=100nA, Max Breakdown Voltage=32V, Max Operating Temperature=150°C, Max Power Dissipation=350W, Max Surge Current=8A, Min Operating Temperature=-55°C, Operating Supply Voltage=24V, Package Quantity=1, Power Line Protection=No, Resistor Type=Zener, Test Current=1mA, Clamping Voltage-Max=44V, Contact Plating=Tin,Matte, Depth=1.3mm, Diode Type=ZENER, Direction=Bidirectional, Element Configuration=Dual, ESD Protection=Yes, Halogen Free="Halogen Free", Height=0.94mm, Lead Free="Lead Free", Length=2.9mm, Max Reverse Leakage Current=100nA, Min Breakdown Voltage=26.2V, Number of Bidirectional Channels=2, Number of Channels=2, Number of Lines=2, Number of Pins=3, Packaging="Tape and Reel", Peak Pulse Current=8A, Peak Pulse Power=350W, Polarity=Bidirectional, Radiation Hardening=No, REACH SVHC="No SVHC", Reverse Standoff Voltage=24V, RoHS Compliant=Yes, Series="Automotive, AEC-Q101", Termination=SMD/SMT, Width=1.3mm, Working Voltage=24V
D7: library part SML-211YTT86, "Yellow LED Indication - Discrete 1.75V 0805 (2012 Metric)", Digikey Part Number=511-1293-1-ND, Manufacturer="ROHM Semiconductor", Colour=Yellow, Part Number=SML-211YTT86
F1: "PTC RESET FUSE 60V 1A 292", Digikey Part Number=507-2070-1-ND, Manufacturer="Littelfuse Inc.", Digikey Link=https://www.digikey.com/product-detail/en/bel-fuse-inc/0ZCF0100AF2A/507-2070-1-ND/6210547, Part Number=0ZCF0100AF2A
L1: library part RLS-126, Digikey Part Number=945-3429-ND, Manufacturer=Recom, Rated Current="0.8 A", Tolerance=0.2, Impedance=230mOhm, Material=Wirewound, Part Number=RLS-126
L3: Digikey Part Number=495-4598-1-ND, Manufacturer="EPCOS (TDK)", Rated Current=150mA, Impedance="5.8 kOhms @ 10MHz", Material=Wirewound, Part Number=B82787C0104H002
P1 P2 P3 P4 P5 P6: library part CMP-104-000033-1, "Conn Wire to Board HDR 16 POS 2.5mm Solder RA Side Entry Thru-Hole Tray"
P8: library part "SMD 1.27mm Header 2x5 (3221-10-0300-00)", Angle=0, Contact=NA, Flange=No, Part Number="SMD 1.27mm Header 2x5 (3221-10-0300-00)", Pitch=1.27mm, Positions=10, Row Spacing=1.27mm
P10: library part "TH 2.54mm Header 1x3", Angle=0, Contact=NA, Flange=No, Part Number="TH 2.54mm Header 1x3", Pitch=2.54mm, Positions=3, Row Spacing=2.54mm
P11: library part CMP-104-000019-1, "Rectangular Power Connector, 6 Contact(s), Male, Solder Terminal, Plug", Contact Resistance=10mR, Dielectric Withstanding Voltage (AC)=1.5kV, Flammability Rating="UL94 V-0", Insulation Color=Natural, Insulation Resistance=1GR, Max Operating Temperature=105°C, Min Operating Temperature=-40°C, Board Mounting Option=PEG, Body Breadth=0.38inch, Body Depth=0.764inch, Body Length=0.54inch, Body/Shell Style=PLUG, Connector Type=Power,Rectangular, Contact Finish - Mating="TIN (200) OVER COPPER", Contact Finish - Termination="Tin (Sn) - with Nickel (Ni) barrier", Contact Gender=Male, Contact Material=Brass, Contact Style="SQ PIN-SKT", DIN Conformance=No, Durability=30Cycles, Empty Shell=No, Filter Feature=No, IEC Conformance=No, Insulation Material=Nylon, JESD-609 Code=e3, Mating Information="MULTIPLE MATING PARTS AVAILABLE", MIL Conformance=No, Mixed Contacts=No, Mounting Option 1="FRICTION RAMP", Mounting Option 2=LOCKING, Mounting Style="RIGHT ANGLE", Mounting Technology=Board, Number Of Connectors=1, Number of Contacts=6, Option="General Purpose", Plating Thickness=100uin, Reach SVHC Compliant=Yes, Reference Standard=UL, Reliability=COMMERCIAL, RoHS Compliant=Yes, Shell Material=POLYAMIDE66, Terminal Length=0.14inch, Termination=Solder, Throw Configuration=S0P6
R1: library part RC0603FR-072KL, Digikey Part Number=311-2.00KHRCT-ND, Manufacturer=YAGEO, Rated Power=0.1W, Tolerance=0.01, Material=FR-07, Part Number=RC0603FR-072KL
R2 R3 R4: library part RC0603FR-0710RL, Digikey Part Number=311-10.0HRCT-ND, Manufacturer=YAGEO, Rated Power=0.1W, Tolerance=0.01, Material=FR-07, Part Number=RC0603FR-0710RL
R5 R24: library part RC0603FR-0710KL, Digikey Part Number=311-10.0KHRCT-ND, Manufacturer=YAGEO, Rated Power=0.1W, Tolerance=0.01, Material=FR-07, Part Number=RC0603FR-0710KL
R6_TB1 R6_TB2 R6_TB3 R6_TB4 R6_TB5 R6_TB6 R7_TB1 R7_TB2 R7_TB3 R7_TB4 R7_TB5 R7_TB6 R10_TB1 R10_TB2 R10_TB3 R10_TB4 R10_TB5 R10_TB6 R11_TB1 R11_TB2 R11_TB3 R11_TB4 R11_TB5 R11_TB6 R14_TB1 R14_TB2 R14_TB3 R14_TB4 R14_TB5 R14_TB6 R15_TB1 R15_TB2 R15_TB3 R15_TB4 R15_TB5 R15_TB6 R18_TB1 R18_TB2 R18_TB3 R18_TB4 R18_TB5 R18_TB6 R19_TB1 R19_TB2 R19_TB3 R19_TB4 R19_TB5 R19_TB6: library part RC0603JR-13680RL, Digikey Part Number=13-RC0603JR-13680RLCT-ND, Manufacturer=YAGEO, Rated Power=0.1W, Tolerance=0.01, Material=FR-07, Part Number=RC0603JR-13680RL
R8_TB1 R8_TB2 R8_TB3 R8_TB4 R8_TB5 R8_TB6 R9_TB1 R9_TB2 R9_TB3 R9_TB4 R9_TB5 R9_TB6 R12_TB1 R12_TB2 R12_TB3 R12_TB4 R12_TB5 R12_TB6 R13_TB1 R13_TB2 R13_TB3 R13_TB4 R13_TB5 R13_TB6 R16_TB1 R16_TB2 R16_TB3 R16_TB4 R16_TB5 R16_TB6 R17_TB1 R17_TB2 R17_TB3 R17_TB4 R17_TB5 R17_TB6 R20_TB1 R20_TB2 R20_TB3 R20_TB4 R20_TB5 R20_TB6 R21_TB1 R21_TB2 R21_TB3 R21_TB4 R21_TB5 R21_TB6: library part RC0603FR-071KL, Digikey Part Number=311-1.00KHRCT-ND, Manufacturer=YAGEO, Rated Power=0.1W, Tolerance=0.01, Material=FR-07, Part Number=RC0603FR-071KL
R22_TB1 R22_TB2 R22_TB3 R22_TB4 R22_TB5 R22_TB6: library part RC0603JR-071K2L, Digikey Part Number=311-1.2KGRCT-ND, Manufacturer=YAGEO, Rated Power=0.1W, Tolerance=0.01, Material=FR-07, Part Number=RC0603JR-071K2L
R23 R25: library part RC0805FR0756RL, Digikey Part Number=311-56.0CRCT-ND, Manufacturer=YAGEO, Rated Power=0.125W, Tolerance=0.01, Material=FR-07, Part Number=RC0805FR0756RL
R26: library part RT0603BRD07500RL, Digikey Part Number=13-RT0603BRD07500RL-ND, Manufacturer=YAGEO, Rated Power=0.1W, Tolerance=0.01, Material=FR-07, Part Number=RT0603BRD07500RL
R29 R30: library part RC0805FR075K1L, Digikey Part Number=311-5.10KCRCT-ND, Manufacturer=YAGEO, Rated Power=0.125W, Tolerance=0.01, Material=FR-07, Part Number=RC0805FR075K1L
U1: Digikey Part Number=732-1489-1-ND, Manufacturer="Wurth Electronics Inc", Rated Current="2.5 A", Impedance="460 Ohms @ 30MHz", Material=Wirewound, Part Number=744272121
U2: "DC DC CONVERTER 5V 4W", Digikey Part Number=JTC0424S05-ND, Input Voltage=9V-36V, Manufacturer="XP Power", Output Power=4W, Output Voltage=5V, Digikey Link=https://www.digikey.com/products/en?keywords=%20JTC0424S05, Efficiency=0.79, Isolation=Isolated, Part Number=JTC0424S05
U3: "IC REG LINEAR 3.3V 200MA SOT23-5", Digikey Part Number=296-27780-1-ND, Input Voltage="2 to 5.5 V", Manufacturer="Texas Instruments", Output Current="0.2 A", Output Voltage="3.3 V", Part Number=TLV70033-Q1
U4_TB1 U4_TB2 U4_TB3 U4_TB4 U4_TB5 U4_TB6: "Quad Channel 2.5kV Digital Isolator with isoPower", Manufacturer="Analogue Devices", Part Number=ADUM5401
U5_TB1 U5_TB2 U5_TB3 U5_TB4 U5_TB5 U5_TB6: library part ADS7028IRTER, "IC ADC 12BIT SAR 16WQFN", Manufacturer="Texas Instruments", Digikey Link=https://www.digikey.com.au/en/products/detail/texas-instruments/ADS7028IRTER/12696020?s=N4IgTCBcDaIIIBEDKB2ADGAHASQEoBUBRXEAXQF8g, Digikey Part Number=ADS7028IRTER, Part Number=ADS7028IRTER
U6: "Isolated CAN Transceiver", Digikey Part Number=ADM3053BRWZ-ND, Manufacturer="Analogue Devices", Complex IC=1, Digikey Link=https://www.digikey.com/product-detail/en/analog-devices-inc/ADM3053BRWZ/ADM3053BRWZ-ND/2709332, Part Number=ADM3053
U7: library part CMP-029-000004-2, "RISC Microcontroller, 32-Bit, FLASH, Cortex-M0+ CPU, 64MHz, CMOS"

## Free pads (board coordinates)
  round 0 hole 4.3 unplated: 1(25.875,-41.91) 1(110.744,-41.91)

## Via types
v1: diameter 0.55, hole 0.25, Top Layer to Bottom Layer, 414 vias

## Nets (pads, with @x,y where several pads share a name; then routed paths per layer and width w, separated by ;. In a path a pad name is that pad's centre, name@x,y a point inside that pad or via, vN(x,y) a via of type N, cw(c..) or ccw(c..) an arc to the next point about the centre after c; other vN are vias at no path point)
0V: C1.1 C2.1 C7.1 R1.1 U1.3 U2.2 U2.3
  other v1: 0.762,-26.416 4.572,-26.416 8.382,-26.416 12.192,-26.416 15.875,-26.416 19.939,-26.416 23.876,-26.416 27.94,-26.416 32.004,-26.416 36.195,-26.416 40.132,-26.416 43.942,-26.416 47.752,-26.416 51.181,-26.416 53.213,-24.257 0.762,-22.606 44.831,-21.209 53.213,-20.447 48.514,-19.177 50.8,-19.177 41.275,-18.669 39.243,-17.653 53.213,-16.637 37.084,-15.621 35.306,-13.843 53.213,-12.827 33.528,-11.938 51.943,-10.922 31.75,-10.287 53.213,-9.017 51.308,-5.842 53.213,-5.207 48.768,-4.191 38.354,-3.81 41.275,-3.81 35.814,-3.683 34.29,-2.286 33.02,-0.889 36.449,-0.889 42.164,-0.889 47.879,-0.889 52.959,-0.889
"0V (TMP)": 